# Altium PCB 智能马桶综合检测台V1.0.PcbDoc (part 2 of 10)
Units mil, origin at the board's own origin, x right, y up, seen from the top; angles counter-clockwise.
Board outline 8070.87 x 6102.36 mil, 2 copper layers (Top Layer, Bottom Layer); 199 components, 169 nets, 738 pads, 77 vias.
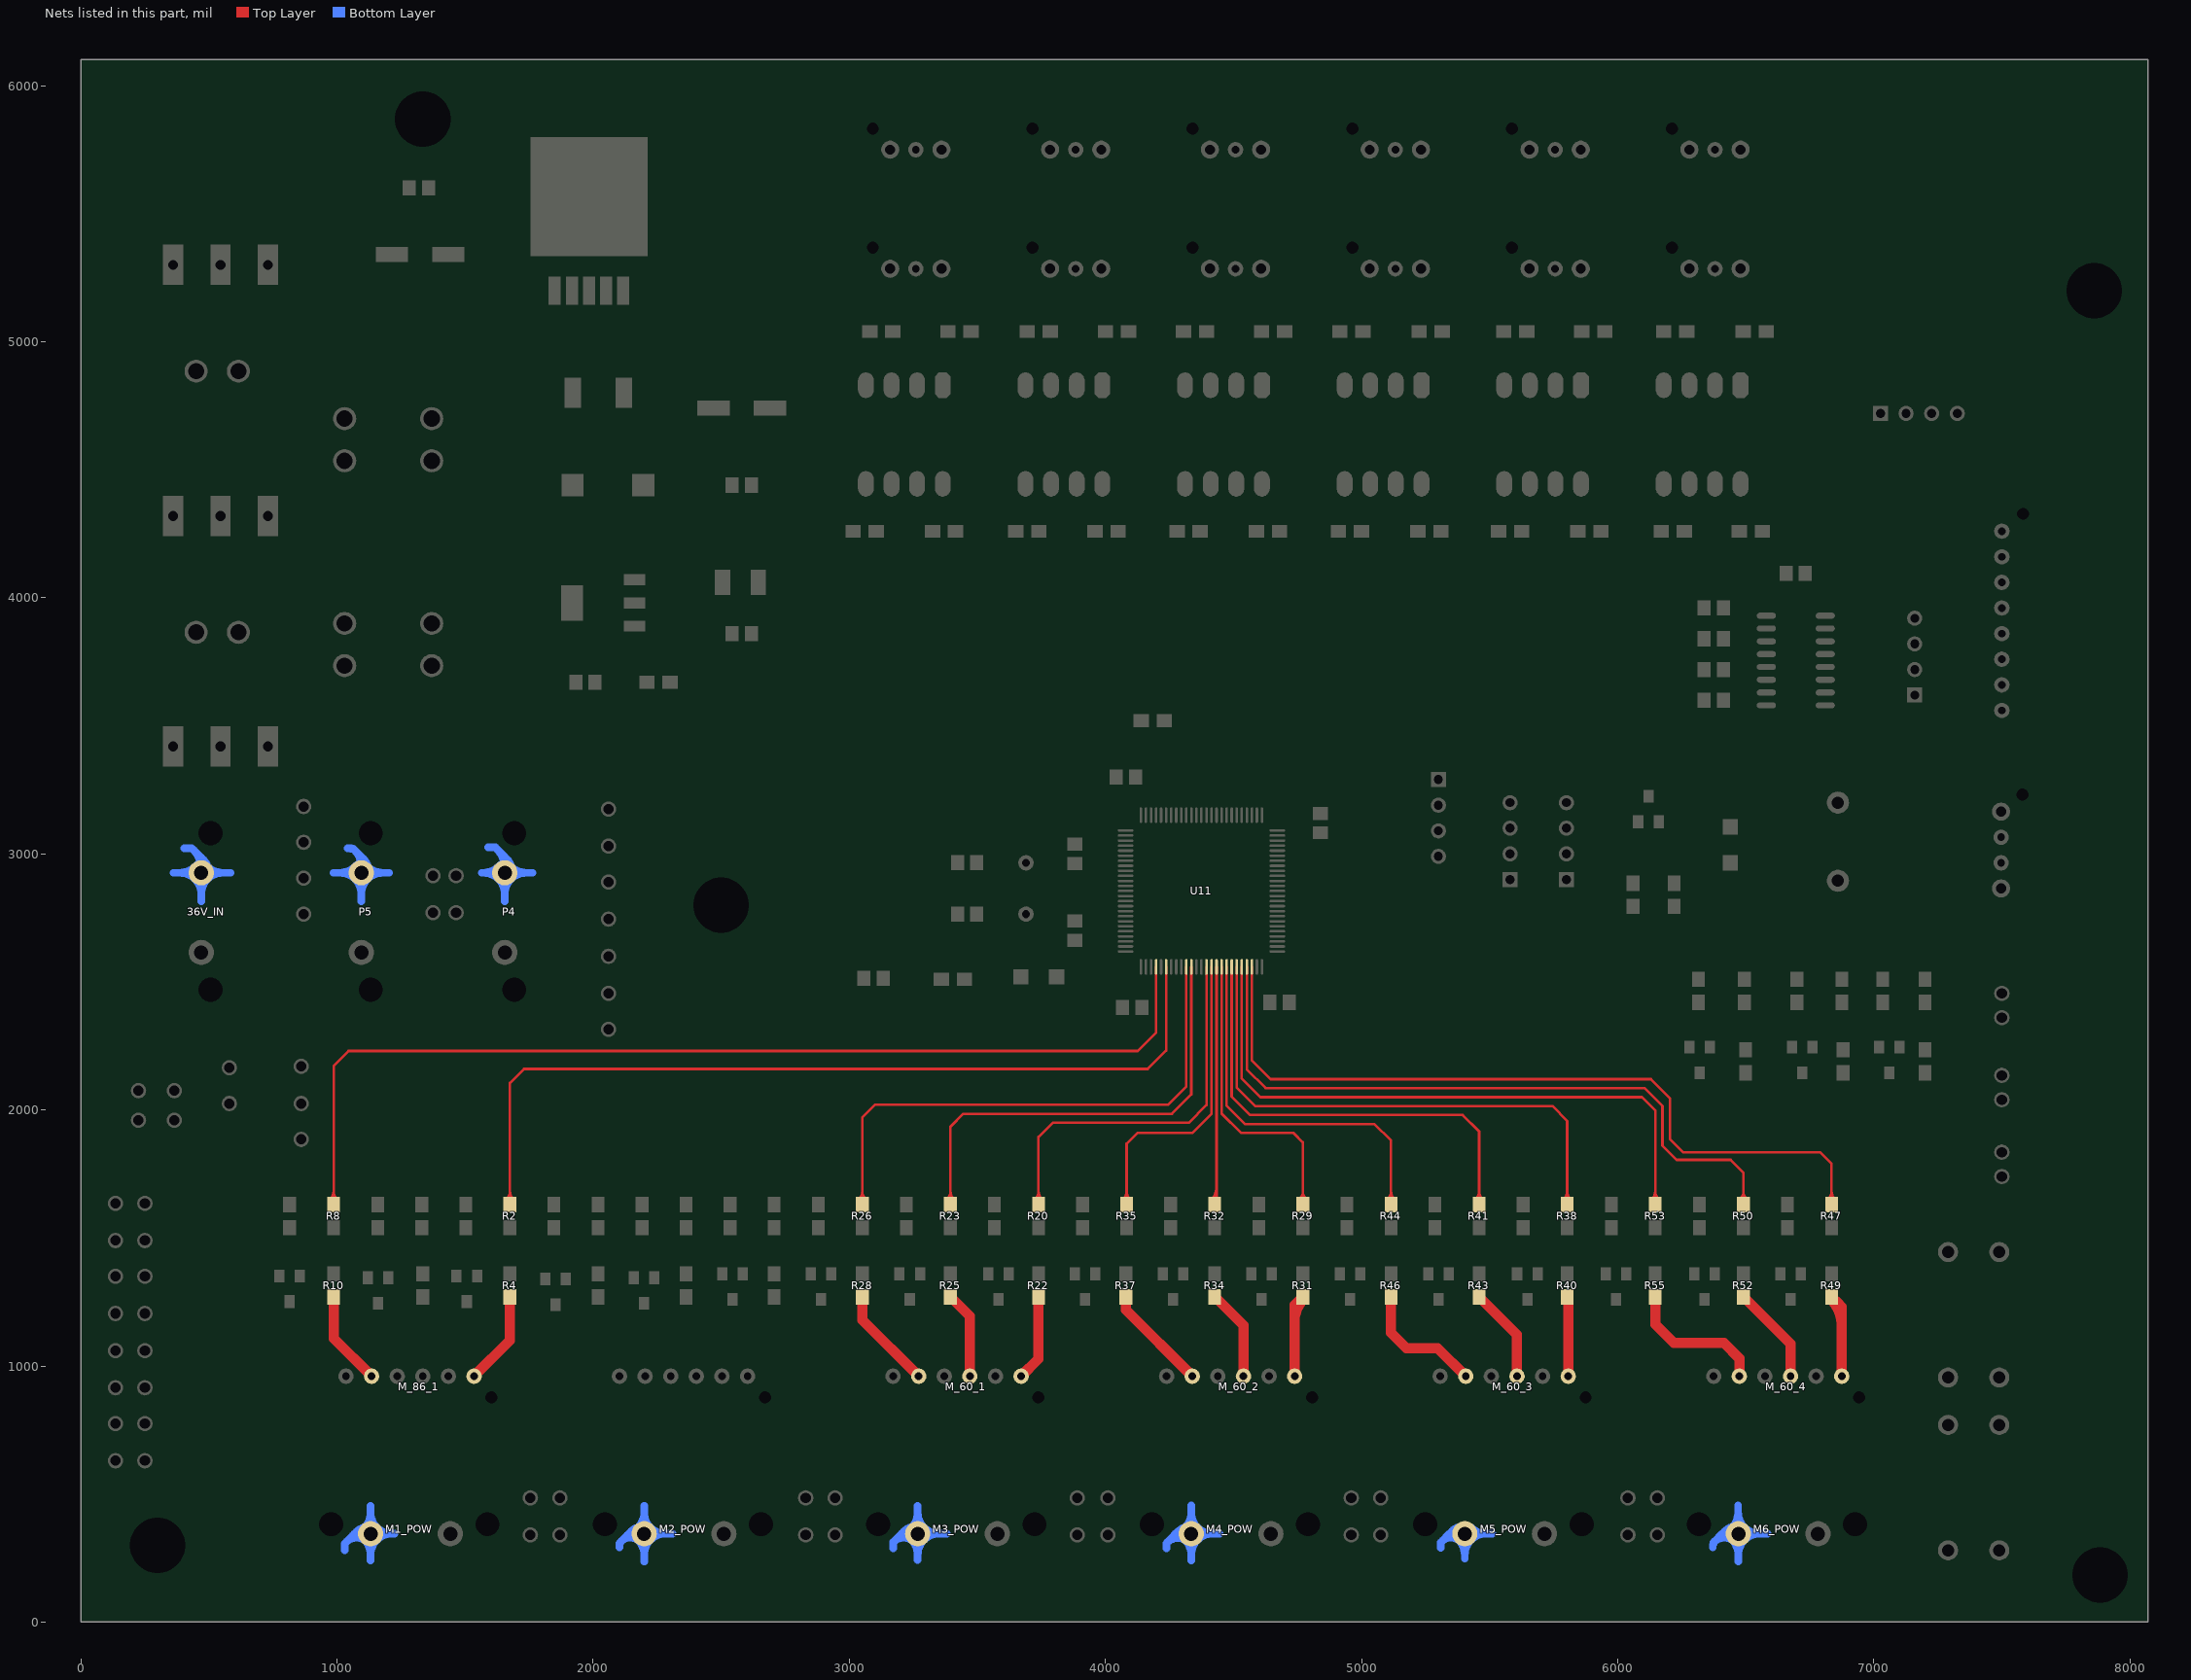
[diagram p2: the nets of this part, all layers, seen from the top]

## Via types
v1: diameter 40, hole 20, Top Layer to Bottom Layer, 68 vias
v2: diameter 50, hole 25, Top Layer to Bottom Layer, 9 vias

## Nets (pads, with @x,y where several pads share a name; then routed paths per layer and width w, separated by ;. In a path a pad name is that pad's centre, name@x,y a point inside that pad or via, vN(x,y) a via of type N, cw(c..) or ccw(c..) an arc to the next point about the centre after c; other vN are vias at no path point)
36V_AGND: 36V_IN.2 M1_POW.2 M2_POW.2 M3_POW.2 M4_POW.2 M5_POW.2 M6_POW.2 P4.2 P5.2 | length 36014.4
  Bottom Layer w30: 361.02,2926.02 583.98,2926.02 ; 403.78,3021.22 429.44,3021.22 ; 432.5,3022.5 470,2985 ; 470,2815 470,2985 ; 986.02,2926.02 1203.98,2926.02 ; 1030,280 1030,306.32 1068.68,345 ; 1041.22,3021.22 1054.44,3021.22 ; 1055,3020 1063.56,3020 1095,2988.56 ; 1095,2815 1095,2988.56 ; 1131.22,241.22 1131.22,453.78 ; 1225,345 1068.68,345 ; 1566.02,2926.02 1763.98,2926.02 ; 1590,3025 1618.56,3025 1655,2988.56 ; 1655,2815 1655,2988.56 ; 2102.38,292.38 2102.38,307.62 2139.75,345 ; 2199.22,235.78 2199.22,454.22 ; 2310,345 2139.75,345 ; 3172.34,287.66 3172.34,312.66 3204.68,345 ; 3267.22,242.22 3267.22,452.78 ; 3380,345 3204.68,345 ; 4237.88,287.88 4237.88,307.12 4272.68,341.93 4272.68,345 ; 4335,240 M4_POW.2@4335,345 ; M4_POW.2@4335.22,345 4335.22,454.78 ; 4445,345 4272.68,345 ; 5310,290 5310,311.25 5343.75,345 ; 5403.22,248.22 M5_POW.2@5403.22,345 ; 5510,345 5343.75,345 ; 6371.53,291.53 6371.53,300.75 ; 6375,305 6375,311.32 6408.68,345 ; M6_POW.2@6470,345 6470,455 ; 6471.22,236.22 M6_POW.2@6471.22,345 ; 6585,345 6408.68,345 ; 387.4,2926.02 cw(c387.4,2843.43) 36V_IN.2@445.81,2901.83 ; 387.4,2926.02 ccw(c387.4,3008.62) 36V_IN.2@445.81,2950.22 ; 387.4,2926.02 cw(c387.4,2843.43) 36V_IN.2@445.81,2901.83 ; 387.4,2926.02 ccw(c387.4,3008.62) 36V_IN.2@445.81,2950.22 ; 387.4,2926.02 cw(c387.4,2843.43) 36V_IN.2@445.81,2901.83 ; 387.4,2926.02 ccw(c387.4,3008.62) 36V_IN.2@445.81,2950.22 ; 387.4,2926.02 cw(c387.4,2843.43) 36V_IN.2@445.81,2901.83 ; 387.4,2926.02 ccw(c387.4,3008.62) 36V_IN.2@445.81,2950.22 ; 387.4,2926.02 ccw(c387.4,3008.62) 36V_IN.2@445.81,2950.22 ; 387.4,2926.02 cw(c387.4,2843.43) 36V_IN.2@445.81,2901.83 ; 441.14,3013.86 cw(c375.45,2948.17) 36V_IN.2@465.9,2926.98 ; 441.14,3013.86 cw(c375.45,2948.17) 36V_IN.2@465.9,2926.98 ; 441.14,3013.86 cw(c375.45,2948.17) 36V_IN.2@465.9,2926.98 ; 441.14,3013.86 cw(c375.45,2948.17) 36V_IN.2@465.9,2926.98 ; 441.14,3013.86 cw(c375.45,2948.17) 36V_IN.2@465.9,2926.98 ; 36V_IN.2@445.81,2901.83 cw(c387.4,2843.43) 470,2843.43 ; 36V_IN.2@445.81,2901.83 cw(c387.4,2843.43) 470,2843.43 ; 36V_IN.2@445.81,2901.83 cw(c387.4,2843.43) 470,2843.43 ; 36V_IN.2@445.81,2901.83 cw(c387.4,2843.43) 470,2843.43 ; 36V_IN.2@445.81,2901.83 cw(c387.4,2843.43) 470,2843.43 ; 36V_IN.2@453.02,2955.72 ccw(c436.28,2985) 470,2985 ; 36V_IN.2@453.02,2955.72 ccw(c436.28,2985) 470,2985 ; 36V_IN.2@453.02,2955.72 ccw(c436.28,2985) 470,2985 ; 36V_IN.2@453.02,2955.72 ccw(c436.28,2985) 470,2985 ; 36V_IN.2@453.02,2955.72 ccw(c436.28,2985) 470,2985 ; 470,2843.43 cw(c552.6,2843.43) 36V_IN.2@494.19,2901.83 ; 470,2843.43 cw(c552.6,2843.43) 36V_IN.2@494.19,2901.83 ; 470,2843.43 cw(c552.6,2843.43) 36V_IN.2@494.19,2901.83 ; 470,2843.43 cw(c552.6,2843.43) 36V_IN.2@494.19,2901.83 ; 470,2843.43 cw(c552.6,2843.43) 36V_IN.2@494.19,2901.83 ; 470,2985 ccw(c503.72,2985) 36V_IN.2@486.98,2955.72 ; 470,2985 ccw(c503.72,2985) 36V_IN.2@486.98,2955.72 ; 470,2985 ccw(c503.72,2985) 36V_IN.2@486.98,2955.72 ; 470,2985 ccw(c503.72,2985) 36V_IN.2@486.98,2955.72 ; 470,2985 ccw(c503.72,2985) 36V_IN.2@486.98,2955.72 ; 479.26,2975.74 cw(c437.23,2933.7) 36V_IN.2@495.11,2920.14 ; 479.26,2975.74 cw(c437.23,2933.7) 36V_IN.2@495.11,2920.14 ; 479.26,2975.74 cw(c437.23,2933.7) 36V_IN.2@495.11,2920.14 ; 479.26,2975.74 cw(c437.23,2933.7) 36V_IN.2@495.11,2920.14 ; 479.26,2975.74 cw(c437.23,2933.7) 36V_IN.2@495.11,2920.14 ; 36V_IN.2@494.19,2901.83 cw(c552.6,2843.43) 552.6,2926.02 ; 36V_IN.2@494.19,2901.83 cw(c552.6,2843.43) 552.6,2926.02 ; 36V_IN.2@494.19,2901.83 cw(c552.6,2843.43) 552.6,2926.02 ; 36V_IN.2@494.19,2901.83 cw(c552.6,2843.43) 552.6,2926.02 ; 36V_IN.2@494.19,2901.83 cw(c552.6,2843.43) 552.6,2926.02 ; 36V_IN.2@494.19,2950.22 ccw(c552.6,3008.62) 552.6,2926.02 ; 36V_IN.2@494.19,2950.22 ccw(c552.6,3008.62) 552.6,2926.02 ; 36V_IN.2@494.19,2950.22 ccw(c552.6,3008.62) 552.6,2926.02 ; 36V_IN.2@494.19,2950.22 ccw(c552.6,3008.62) 552.6,2926.02 ; 36V_IN.2@494.19,2950.22 ccw(c552.6,3008.62) 552.6,2926.02 ; 1012.4,2926.02 cw(c1012.4,2843.43) P5.2@1070.81,2901.83 ; 1012.4,2926.02 ccw(c1012.4,3008.62) P5.2@1070.81,2950.22 ; 1012.4,2926.02 cw(c1012.4,2843.43) P5.2@1070.81,2901.83 ; 1012.4,2926.02 ccw(c1012.4,3008.62) P5.2@1070.81,2950.22 ; 1012.4,2926.02 cw(c1012.4,2843.43) P5.2@1070.81,2901.83 ; 1012.4,2926.02 ccw(c1012.4,3008.62) P5.2@1070.81,2950.22 ; 1012.4,2926.02 cw(c1012.4,2843.43) P5.2@1070.81,2901.83 ; 1012.4,2926.02 ccw(c1012.4,3008.62) P5.2@1070.81,2950.22 ; 1012.4,2926.02 ccw(c1012.4,3008.62) P5.2@1070.81,2950.22 ; 1012.4,2926.02 cw(c1012.4,2843.43) P5.2@1070.81,2901.83 ; 1037.41,313.73 cw(c1076.21,274.94) M1_POW.2@1110.09,318.09 ; 1037.41,313.73 cw(c1076.21,274.94) M1_POW.2@1110.09,318.09 ; 1037.41,313.73 cw(c1076.21,274.94) M1_POW.2@1110.09,318.09 ; 1037.41,313.73 cw(c1076.21,274.94) M1_POW.2@1110.09,318.09 ; 1037.41,313.73 cw(c1076.21,274.94) M1_POW.2@1110.09,318.09 ; 1037.45,313.77 cw(c1108.63,242.59) M1_POW.2@1130.31,340.89 ; 1037.45,313.77 cw(c1108.63,242.59) M1_POW.2@1130.31,340.89 ; 1037.45,313.77 cw(c1108.63,242.59) M1_POW.2@1130.31,340.89 ; 1037.45,313.77 cw(c1108.63,242.59) M1_POW.2@1130.31,340.89 ; 1037.45,313.77 cw(c1108.63,242.59) M1_POW.2@1130.31,340.89 ; 1061.33,337.65 cw(c1097.25,301.74) M1_POW.2@1128.62,341.69 ; 1061.33,337.65 cw(c1097.25,301.74) M1_POW.2@1128.62,341.69 ; 1061.33,337.65 cw(c1097.25,301.74) M1_POW.2@1128.62,341.69 ; 1061.33,337.65 cw(c1097.25,301.74) M1_POW.2@1128.62,341.69 ; 1061.33,337.65 cw(c1097.25,301.74) M1_POW.2@1128.62,341.69 ; 1068.24,3015.32 cw(c1004.93,2952.01) P5.2@1090.95,2927.19 ; 1068.24,3015.32 cw(c1004.93,2952.01) P5.2@1090.95,2927.19 ; 1068.24,3015.32 cw(c1004.93,2952.01) P5.2@1090.95,2927.19 ; 1068.24,3015.32 cw(c1004.93,2952.01) P5.2@1090.95,2927.19 ; 1068.24,3015.32 cw(c1004.93,2952.01) P5.2@1090.95,2927.19 ; 1068.68,345 cw(c1068.68,304.95) M1_POW.2@1102.41,326.55 ; 1068.68,345 ccw(c1068.68,385.05) M1_POW.2@1102.41,363.45 ; 1068.68,345 cw(c1068.68,304.95) M1_POW.2@1102.41,326.55 ; 1068.68,345 ccw(c1068.68,385.05) M1_POW.2@1102.41,363.45 ; 1068.68,345 cw(c1068.68,304.95) M1_POW.2@1102.41,326.55 ; 1068.68,345 ccw(c1068.68,385.05) M1_POW.2@1102.41,363.45 ; 1068.68,345 cw(c1068.68,304.95) M1_POW.2@1102.41,326.55 ; 1068.68,345 ccw(c1068.68,385.05) M1_POW.2@1102.41,363.45 ; 1068.68,345 ccw(c1068.68,385.05) M1_POW.2@1102.41,363.45 ; 1068.68,345 cw(c1068.68,304.95) M1_POW.2@1102.41,326.55 ; P5.2@1070.81,2901.83 cw(c1012.4,2843.43) 1095,2843.43 ; P5.2@1070.81,2901.83 cw(c1012.4,2843.43) 1095,2843.43 ; P5.2@1070.81,2901.83 cw(c1012.4,2843.43) 1095,2843.43 ; P5.2@1070.81,2901.83 cw(c1012.4,2843.43) 1095,2843.43 ; P5.2@1070.81,2901.83 cw(c1012.4,2843.43) 1095,2843.43 ; 1076.16,352.48 cw(c1122.62,306.02) M1_POW.2@1136.78,370.18 ; 1076.16,352.48 cw(c1122.62,306.02) M1_POW.2@1136.78,370.18 ; 1076.16,352.48 cw(c1122.62,306.02) M1_POW.2@1136.78,370.18 ; 1076.16,352.48 cw(c1122.62,306.02) M1_POW.2@1136.78,370.18 ; 1076.16,352.48 cw(c1122.62,306.02) M1_POW.2@1136.78,370.18 ; P5.2@1076.55,2954.83 ccw(c1054.95,2988.56) 1095,2988.56 ; P5.2@1076.55,2954.83 ccw(c1054.95,2988.56) 1095,2988.56 ; P5.2@1076.55,2954.83 ccw(c1054.95,2988.56) 1095,2988.56 ; P5.2@1076.55,2954.83 ccw(c1054.95,2988.56) 1095,2988.56 ; P5.2@1076.55,2954.83 ccw(c1054.95,2988.56) 1095,2988.56 ; 1095,2843.43 cw(c1177.6,2843.43) P5.2@1119.19,2901.83 ; 1095,2843.43 cw(c1177.6,2843.43) P5.2@1119.19,2901.83 ; 1095,2843.43 cw(c1177.6,2843.43) P5.2@1119.19,2901.83 ; 1095,2843.43 cw(c1177.6,2843.43) P5.2@1119.19,2901.83 ; 1095,2843.43 cw(c1177.6,2843.43) P5.2@1119.19,2901.83 ; 1095,2988.56 ccw(c1135.05,2988.56) P5.2@1113.45,2954.83 ; 1095,2988.56 ccw(c1135.05,2988.56) P5.2@1113.45,2954.83 ; 1095,2988.56 ccw(c1135.05,2988.56) P5.2@1113.45,2954.83 ; 1095,2988.56 ccw(c1135.05,2988.56) P5.2@1113.45,2954.83 ; 1095,2988.56 ccw(c1135.05,2988.56) P5.2@1113.45,2954.83 ; 1104.18,2979.38 cw(c1060.72,2935.92) P5.2@1119.78,2918.87 ; 1104.18,2979.38 cw(c1060.72,2935.92) P5.2@1119.78,2918.87 ; 1104.18,2979.38 cw(c1060.72,2935.92) P5.2@1119.78,2918.87 ; 1104.18,2979.38 cw(c1060.72,2935.92) P5.2@1119.78,2918.87 ; 1104.18,2979.38 cw(c1060.72,2935.92) P5.2@1119.78,2918.87 ; M1_POW.2@1107.03,320.81 cw(c1048.62,262.4) 1131.22,262.4 ; M1_POW.2@1107.03,320.81 cw(c1048.62,262.4) 1131.22,262.4 ; M1_POW.2@1107.03,320.81 cw(c1048.62,262.4) 1131.22,262.4 ; M1_POW.2@1107.03,320.81 cw(c1048.62,262.4) 1131.22,262.4 ; M1_POW.2@1107.03,320.81 cw(c1048.62,262.4) 1131.22,262.4 ; M1_POW.2@1107.03,369.19 ccw(c1048.62,427.6) 1131.22,427.6 ; M1_POW.2@1107.03,369.19 ccw(c1048.62,427.6) 1131.22,427.6 ; M1_POW.2@1107.03,369.19 ccw(c1048.62,427.6) 1131.22,427.6 ; M1_POW.2@1107.03,369.19 ccw(c1048.62,427.6) 1131.22,427.6 ; M1_POW.2@1107.03,369.19 ccw(c1048.62,427.6) 1131.22,427.6 ; P5.2@1119.19,2901.83 cw(c1177.6,2843.43) 1177.6,2926.02 ; P5.2@1119.19,2901.83 cw(c1177.6,2843.43) 1177.6,2926.02 ; P5.2@1119.19,2901.83 cw(c1177.6,2843.43) 1177.6,2926.02 ; P5.2@1119.19,2901.83 cw(c1177.6,2843.43) 1177.6,2926.02 ; P5.2@1119.19,2901.83 cw(c1177.6,2843.43) 1177.6,2926.02 ; P5.2@1119.19,2950.22 ccw(c1177.6,3008.62) 1177.6,2926.02 ; P5.2@1119.19,2950.22 ccw(c1177.6,3008.62) 1177.6,2926.02 ; P5.2@1119.19,2950.22 ccw(c1177.6,3008.62) 1177.6,2926.02 ; P5.2@1119.19,2950.22 ccw(c1177.6,3008.62) 1177.6,2926.02 ; P5.2@1119.19,2950.22 ccw(c1177.6,3008.62) 1177.6,2926.02 ; 1131.22,262.4 cw(c1213.82,262.4) M1_POW.2@1155.41,320.81 ; 1131.22,262.4 cw(c1213.82,262.4) M1_POW.2@1155.41,320.81 ; 1131.22,262.4 cw(c1213.82,262.4) M1_POW.2@1155.41,320.81 ; 1131.22,262.4 cw(c1213.82,262.4) M1_POW.2@1155.41,320.81 ; 1131.22,262.4 cw(c1213.82,262.4) M1_POW.2@1155.41,320.81 ; 1131.22,427.6 ccw(c1213.82,427.6) M1_POW.2@1155.41,369.19 ; 1131.22,427.6 ccw(c1213.82,427.6) M1_POW.2@1155.41,369.19 ; 1131.22,427.6 ccw(c1213.82,427.6) M1_POW.2@1155.41,369.19 ; 1131.22,427.6 ccw(c1213.82,427.6) M1_POW.2@1155.41,369.19 ; 1131.22,427.6 ccw(c1213.82,427.6) M1_POW.2@1155.41,369.19 ; M1_POW.2@1155.41,320.81 cw(c1213.82,262.4) 1213.82,345 ; M1_POW.2@1155.41,320.81 cw(c1213.82,262.4) 1213.82,345 ; M1_POW.2@1155.41,320.81 cw(c1213.82,262.4) 1213.82,345 ; M1_POW.2@1155.41,320.81 cw(c1213.82,262.4) 1213.82,345 ; M1_POW.2@1155.41,320.81 cw(c1213.82,262.4) 1213.82,345 ; M1_POW.2@1155.41,369.19 ccw(c1213.82,427.6) 1213.82,345 ; M1_POW.2@1155.41,369.19 ccw(c1213.82,427.6) 1213.82,345 ; M1_POW.2@1155.41,369.19 ccw(c1213.82,427.6) 1213.82,345 ; M1_POW.2@1155.41,369.19 ccw(c1213.82,427.6) 1213.82,345 ; M1_POW.2@1155.41,369.19 ccw(c1213.82,427.6) 1213.82,345 ; 1572.4,2926.02 cw(c1572.4,2843.43) P4.2@1630.81,2901.83 ; 1572.4,2926.02 ccw(c1572.4,3008.62) P4.2@1630.81,2950.22 ; 1572.4,2926.02 cw(c1572.4,2843.43) P4.2@1630.81,2901.83 ; 1572.4,2926.02 ccw(c1572.4,3008.62) P4.2@1630.81,2950.22 ; 1572.4,2926.02 cw(c1572.4,2843.43) P4.2@1630.81,2901.83 ; 1572.4,2926.02 ccw(c1572.4,3008.62) P4.2@1630.81,2950.22 ; 1572.4,2926.02 cw(c1572.4,2843.43) P4.2@1630.81,2901.83 ; 1572.4,2926.02 ccw(c1572.4,3008.62) P4.2@1630.81,2950.22 ; 1572.4,2926.02 ccw(c1572.4,3008.62) P4.2@1630.81,2950.22 ; 1572.4,2926.02 cw(c1572.4,2843.43) P4.2@1630.81,2901.83 ; 1625.15,3018.41 cw(c1556.48,2949.73) P4.2@1650.9,2927.01 ; 1625.15,3018.41 cw(c1556.48,2949.73) P4.2@1650.9,2927.01 ; 1625.15,3018.41 cw(c1556.48,2949.73) P4.2@1650.9,2927.01 ; 1625.15,3018.41 cw(c1556.48,2949.73) P4.2@1650.9,2927.01 ; 1625.15,3018.41 cw(c1556.48,2949.73) P4.2@1650.9,2927.01 ; P4.2@1630.81,2901.83 cw(c1572.4,2843.43) 1655,2843.43 ; P4.2@1630.81,2901.83 cw(c1572.4,2843.43) 1655,2843.43 ; P4.2@1630.81,2901.83 cw(c1572.4,2843.43) 1655,2843.43 ; P4.2@1630.81,2901.83 cw(c1572.4,2843.43) 1655,2843.43 ; P4.2@1630.81,2901.83 cw(c1572.4,2843.43) 1655,2843.43 ; P4.2@1636.55,2954.83 ccw(c1614.95,2988.56) 1655,2988.56 ; P4.2@1636.55,2954.83 ccw(c1614.95,2988.56) 1655,2988.56 ; P4.2@1636.55,2954.83 ccw(c1614.95,2988.56) 1655,2988.56 ; P4.2@1636.55,2954.83 ccw(c1614.95,2988.56) 1655,2988.56 ; P4.2@1636.55,2954.83 ccw(c1614.95,2988.56) 1655,2988.56 ; 1655,2843.43 cw(c1737.6,2843.43) P4.2@1679.19,2901.83 ; 1655,2843.43 cw(c1737.6,2843.43) P4.2@1679.19,2901.83 ; 1655,2843.43 cw(c1737.6,2843.43) P4.2@1679.19,2901.83 ; 1655,2843.43 cw(c1737.6,2843.43) P4.2@1679.19,2901.83 ; 1655,2843.43 cw(c1737.6,2843.43) P4.2@1679.19,2901.83 ; 1655,2988.56 ccw(c1695.05,2988.56) P4.2@1673.45,2954.83 ; 1655,2988.56 ccw(c1695.05,2988.56) P4.2@1673.45,2954.83 ; 1655,2988.56 ccw(c1695.05,2988.56) P4.2@1673.45,2954.83 ; 1655,2988.56 ccw(c1695.05,2988.56) P4.2@1673.45,2954.83 ; 1655,2988.56 ccw(c1695.05,2988.56) P4.2@1673.45,2954.83 ; 1663.01,2980.55 cw(c1617.5,2935.05) P4.2@1680.07,2919.99 ; 1663.01,2980.55 cw(c1617.5,2935.05) P4.2@1680.07,2919.99 ; 1663.01,2980.55 cw(c1617.5,2935.05) P4.2@1680.07,2919.99 ; 1663.01,2980.55 cw(c1617.5,2935.05) P4.2@1680.07,2919.99 ; 1663.01,2980.55 cw(c1617.5,2935.05) P4.2@1680.07,2919.99 ; P4.2@1679.19,2901.83 cw(c1737.6,2843.43) 1737.6,2926.02 ; P4.2@1679.19,2901.83 cw(c1737.6,2843.43) 1737.6,2926.02 ; P4.2@1679.19,2901.83 cw(c1737.6,2843.43) 1737.6,2926.02 ; P4.2@1679.19,2901.83 cw(c1737.6,2843.43) 1737.6,2926.02 ; P4.2@1679.19,2901.83 cw(c1737.6,2843.43) 1737.6,2926.02 ; P4.2@1679.19,2950.22 ccw(c1737.6,3008.62) 1737.6,2926.02 ; P4.2@1679.19,2950.22 ccw(c1737.6,3008.62) 1737.6,2926.02 ; P4.2@1679.19,2950.22 ccw(c1737.6,3008.62) 1737.6,2926.02 ; P4.2@1679.19,2950.22 ccw(c1737.6,3008.62) 1737.6,2926.02 ; P4.2@1679.19,2950.22 ccw(c1737.6,3008.62) 1737.6,2926.02 ; 2110.02,315.27 cw(c2145.58,279.71) M2_POW.2@2177.5,318.57 ; 2110.02,315.27 cw(c2145.58,279.71) M2_POW.2@2177.5,318.57 ; 2110.02,315.27 cw(c2145.58,279.71) M2_POW.2@2177.5,318.57 ; 2110.02,315.27 cw(c2145.58,279.71) M2_POW.2@2177.5,318.57 ; 2110.02,315.27 cw(c2145.58,279.71) M2_POW.2@2177.5,318.57 ; 2110.74,315.99 cw(c2176.87,249.86) M2_POW.2@2198.26,340.9 ; 2110.74,315.99 cw(c2176.87,249.86) M2_POW.2@2198.26,340.9 ; 2110.74,315.99 cw(c2176.87,249.86) M2_POW.2@2198.26,340.9 ; 2110.74,315.99 cw(c2176.87,249.86) M2_POW.2@2198.26,340.9 ; 2110.74,315.99 cw(c2176.87,249.86) M2_POW.2@2198.26,340.9 ; 2133.41,338.66 cw(c2166.68,305.39) M2_POW.2@2196.55,341.75 ; 2133.41,338.66 cw(c2166.68,305.39) M2_POW.2@2196.55,341.75 ; 2133.41,338.66 cw(c2166.68,305.39) M2_POW.2@2196.55,341.75 ; 2133.41,338.66 cw(c2166.68,305.39) M2_POW.2@2196.55,341.75 ; 2133.41,338.66 cw(c2166.68,305.39) M2_POW.2@2196.55,341.75 ; 2139.76,345 cw(c2139.76,310.43) M2_POW.2@2169.64,327.8 ; 2139.76,345 ccw(c2139.76,379.57) M2_POW.2@2169.64,362.2 ; 2139.76,345 cw(c2139.76,310.43) M2_POW.2@2169.64,327.8 ; 2139.76,345 ccw(c2139.76,379.57) M2_POW.2@2169.64,362.2 ; 2139.76,345 cw(c2139.76,310.43) M2_POW.2@2169.64,327.8 ; 2139.76,345 ccw(c2139.76,379.57) M2_POW.2@2169.64,362.2 ; 2139.76,345 cw(c2139.76,310.43) M2_POW.2@2169.64,327.8 ; 2139.76,345 ccw(c2139.76,379.57) M2_POW.2@2169.64,362.2 ; 2139.76,345 ccw(c2139.76,379.57) M2_POW.2@2169.64,362.2 ; 2139.76,345 cw(c2139.76,310.43) M2_POW.2@2169.64,327.8 ; 2148.84,354.08 cw(c2191.36,311.56) M2_POW.2@2205.12,370.1 ; 2148.84,354.08 cw(c2191.36,311.56) M2_POW.2@2205.12,370.1 ; 2148.84,354.08 cw(c2191.36,311.56) M2_POW.2@2205.12,370.1 ; 2148.84,354.08 cw(c2191.36,311.56) M2_POW.2@2205.12,370.1 ; 2148.84,354.08 cw(c2191.36,311.56) M2_POW.2@2205.12,370.1 ; M2_POW.2@2175.03,320.81 cw(c2116.62,262.4) 2199.22,262.4 ; M2_POW.2@2175.03,320.81 cw(c2116.62,262.4) 2199.22,262.4 ; M2_POW.2@2175.03,320.81 cw(c2116.62,262.4) 2199.22,262.4 ; M2_POW.2@2175.03,320.81 cw(c2116.62,262.4) 2199.22,262.4 ; M2_POW.2@2175.03,320.81 cw(c2116.62,262.4) 2199.22,262.4 ; M2_POW.2@2175.03,369.19 ccw(c2116.62,427.6) 2199.22,427.6 ; M2_POW.2@2175.03,369.19 ccw(c2116.62,427.6) 2199.22,427.6 ; M2_POW.2@2175.03,369.19 ccw(c2116.62,427.6) 2199.22,427.6 ; M2_POW.2@2175.03,369.19 ccw(c2116.62,427.6) 2199.22,427.6 ; M2_POW.2@2175.03,369.19 ccw(c2116.62,427.6) 2199.22,427.6 ; 2199.22,262.4 cw(c2281.82,262.4) M2_POW.2@2223.41,320.81 ; 2199.22,262.4 cw(c2281.82,262.4) M2_POW.2@2223.41,320.81 ; 2199.22,262.4 cw(c2281.82,262.4) M2_POW.2@2223.41,320.81 ; 2199.22,262.4 cw(c2281.82,262.4) M2_POW.2@2223.41,320.81 ; 2199.22,262.4 cw(c2281.82,262.4) M2_POW.2@2223.41,320.81 ; 2199.22,427.6 ccw(c2281.82,427.6) M2_POW.2@2223.41,369.19 ; 2199.22,427.6 ccw(c2281.82,427.6) M2_POW.2@2223.41,369.19 ; 2199.22,427.6 ccw(c2281.82,427.6) M2_POW.2@2223.41,369.19 ; 2199.22,427.6 ccw(c2281.82,427.6) M2_POW.2@2223.41,369.19 ; 2199.22,427.6 ccw(c2281.82,427.6) M2_POW.2@2223.41,369.19 ; M2_POW.2@2223.41,320.81 cw(c2281.82,262.4) 2281.82,345 ; M2_POW.2@2223.41,320.81 cw(c2281.82,262.4) 2281.82,345 ; M2_POW.2@2223.41,320.81 cw(c2281.82,262.4) 2281.82,345 ; M2_POW.2@2223.41,320.81 cw(c2281.82,262.4) 2281.82,345 ; M2_POW.2@2223.41,320.81 cw(c2281.82,262.4) 2281.82,345 ; M2_POW.2@2223.41,369.19 ccw(c2281.82,427.6) 2281.82,345 ; M2_POW.2@2223.41,369.19 ccw(c2281.82,427.6) 2281.82,345 ; M2_POW.2@2223.41,369.19 ccw(c2281.82,427.6) 2281.82,345 ; M2_POW.2@2223.41,369.19 ccw(c2281.82,427.6) 2281.82,345 ; M2_POW.2@2223.41,369.19 ccw(c2281.82,427.6) 2281.82,345 ; 3173.41,313.73 cw(c3212.21,274.94) M3_POW.2@3246.09,318.09 ; 3173.41,313.73 cw(c3212.21,274.94) M3_POW.2@3246.09,318.09 ; 3173.41,313.73 cw(c3212.21,274.94) M3_POW.2@3246.09,318.09 ; 3173.41,313.73 cw(c3212.21,274.94) M3_POW.2@3246.09,318.09 ; 3173.41,313.73 cw(c3212.21,274.94) M3_POW.2@3246.09,318.09 ; 3177.36,317.68 cw(c3241.62,253.43) M3_POW.2@3266.09,340.94 ; 3177.36,317.68 cw(c3241.62,253.43) M3_POW.2@3266.09,340.94 ; 3177.36,317.68 cw(c3241.62,253.43) M3_POW.2@3266.09,340.94 ; 3177.36,317.68 cw(c3241.62,253.43) M3_POW.2@3266.09,340.94 ; 3177.36,317.68 cw(c3241.62,253.43) M3_POW.2@3266.09,340.94 ; 3197.33,337.65 cw(c3233.25,301.74) M3_POW.2@3264.62,341.69 ; 3197.33,337.65 cw(c3233.25,301.74) M3_POW.2@3264.62,341.69 ; 3197.33,337.65 cw(c3233.25,301.74) M3_POW.2@3264.62,341.69 ; 3197.33,337.65 cw(c3233.25,301.74) M3_POW.2@3264.62,341.69 ; 3197.33,337.65 cw(c3233.25,301.74) M3_POW.2@3264.62,341.69 ; 3204.68,345 cw(c3204.68,304.95) M3_POW.2@3238.41,326.55 ; 3204.68,345 ccw(c3204.68,385.05) M3_POW.2@3238.41,363.45 ; 3204.68,345 cw(c3204.68,304.95) M3_POW.2@3238.41,326.55 ; 3204.68,345 ccw(c3204.68,385.05) M3_POW.2@3238.41,363.45 ; 3204.68,345 cw(c3204.68,304.95) M3_POW.2@3238.41,326.55 ; 3204.68,345 ccw(c3204.68,385.05) M3_POW.2@3238.41,363.45 ; 3204.68,345 cw(c3204.68,304.95) M3_POW.2@3238.41,326.55 ; 3204.68,345 ccw(c3204.68,385.05) M3_POW.2@3238.41,363.45 ; 3204.68,345 ccw(c3204.68,385.05) M3_POW.2@3238.41,363.45 ; 3204.68,345 cw(c3204.68,304.95) M3_POW.2@3238.41,326.55 ; 3213.65,353.97 cw(c3257.48,310.15) M3_POW.2@3274.16,369.84 ; 3213.65,353.97 cw(c3257.48,310.15) M3_POW.2@3274.16,369.84 ; 3213.65,353.97 cw(c3257.48,310.15) M3_POW.2@3274.16,369.84 ; 3213.65,353.97 cw(c3257.48,310.15) M3_POW.2@3274.16,369.84 ; 3213.65,353.97 cw(c3257.48,310.15) M3_POW.2@3274.16,369.84 ; M3_POW.2@3243.03,320.81 cw(c3184.62,262.4) 3267.22,262.4 ; M3_POW.2@3243.03,320.81 cw(c3184.62,262.4) 3267.22,262.4 ; M3_POW.2@3243.03,320.81 cw(c3184.62,262.4) 3267.22,262.4 ; M3_POW.2@3243.03,320.81 cw(c3184.62,262.4) 3267.22,262.4 ; M3_POW.2@3243.03,320.81 cw(c3184.62,262.4) 3267.22,262.4 ; M3_POW.2@3243.03,369.19 ccw(c3184.62,427.6) 3267.22,427.6 ; M3_POW.2@3243.03,369.19 ccw(c3184.62,427.6) 3267.22,427.6 ; M3_POW.2@3243.03,369.19 ccw(c3184.62,427.6) 3267.22,427.6 ; M3_POW.2@3243.03,369.19 ccw(c3184.62,427.6) 3267.22,427.6 ; M3_POW.2@3243.03,369.19 ccw(c3184.62,427.6) 3267.22,427.6 ; 3267.22,262.4 cw(c3349.82,262.4) M3_POW.2@3291.41,320.81 ; 3267.22,262.4 cw(c3349.82,262.4) M3_POW.2@3291.41,320.81 ; 3267.22,262.4 cw(c3349.82,262.4) M3_POW.2@3291.41,320.81 ; 3267.22,262.4 cw(c3349.82,262.4) M3_POW.2@3291.41,320.81 ; 3267.22,262.4 cw(c3349.82,262.4) M3_POW.2@3291.41,320.81 ; 3267.22,427.6 ccw(c3349.82,427.6) M3_POW.2@3291.41,369.19 ; 3267.22,427.6 ccw(c3349.82,427.6) M3_POW.2@3291.41,369.19 ; 3267.22,427.6 ccw(c3349.82,427.6) M3_POW.2@3291.41,369.19 ; 3267.22,427.6 ccw(c3349.82,427.6) M3_POW.2@3291.41,369.19 ; 3267.22,427.6 ccw(c3349.82,427.6) M3_POW.2@3291.41,369.19 ; M3_POW.2@3291.41,320.81 cw(c3349.82,262.4) 3349.82,345 ; M3_POW.2@3291.41,320.81 cw(c3349.82,262.4) 3349.82,345 ; M3_POW.2@3291.41,320.81 cw(c3349.82,262.4) 